# KiCad board pedalboard-hw.kicad_pcb
title: Open Pedalboard; date: 2023-10-20; rev: 3.0.1; company: https://github.com/pedalboard; note: Source Code: https://github.com/pedalboard/pedalboard-hw; note: License: CERN Open Hardware Licence Version 2 - Permissive
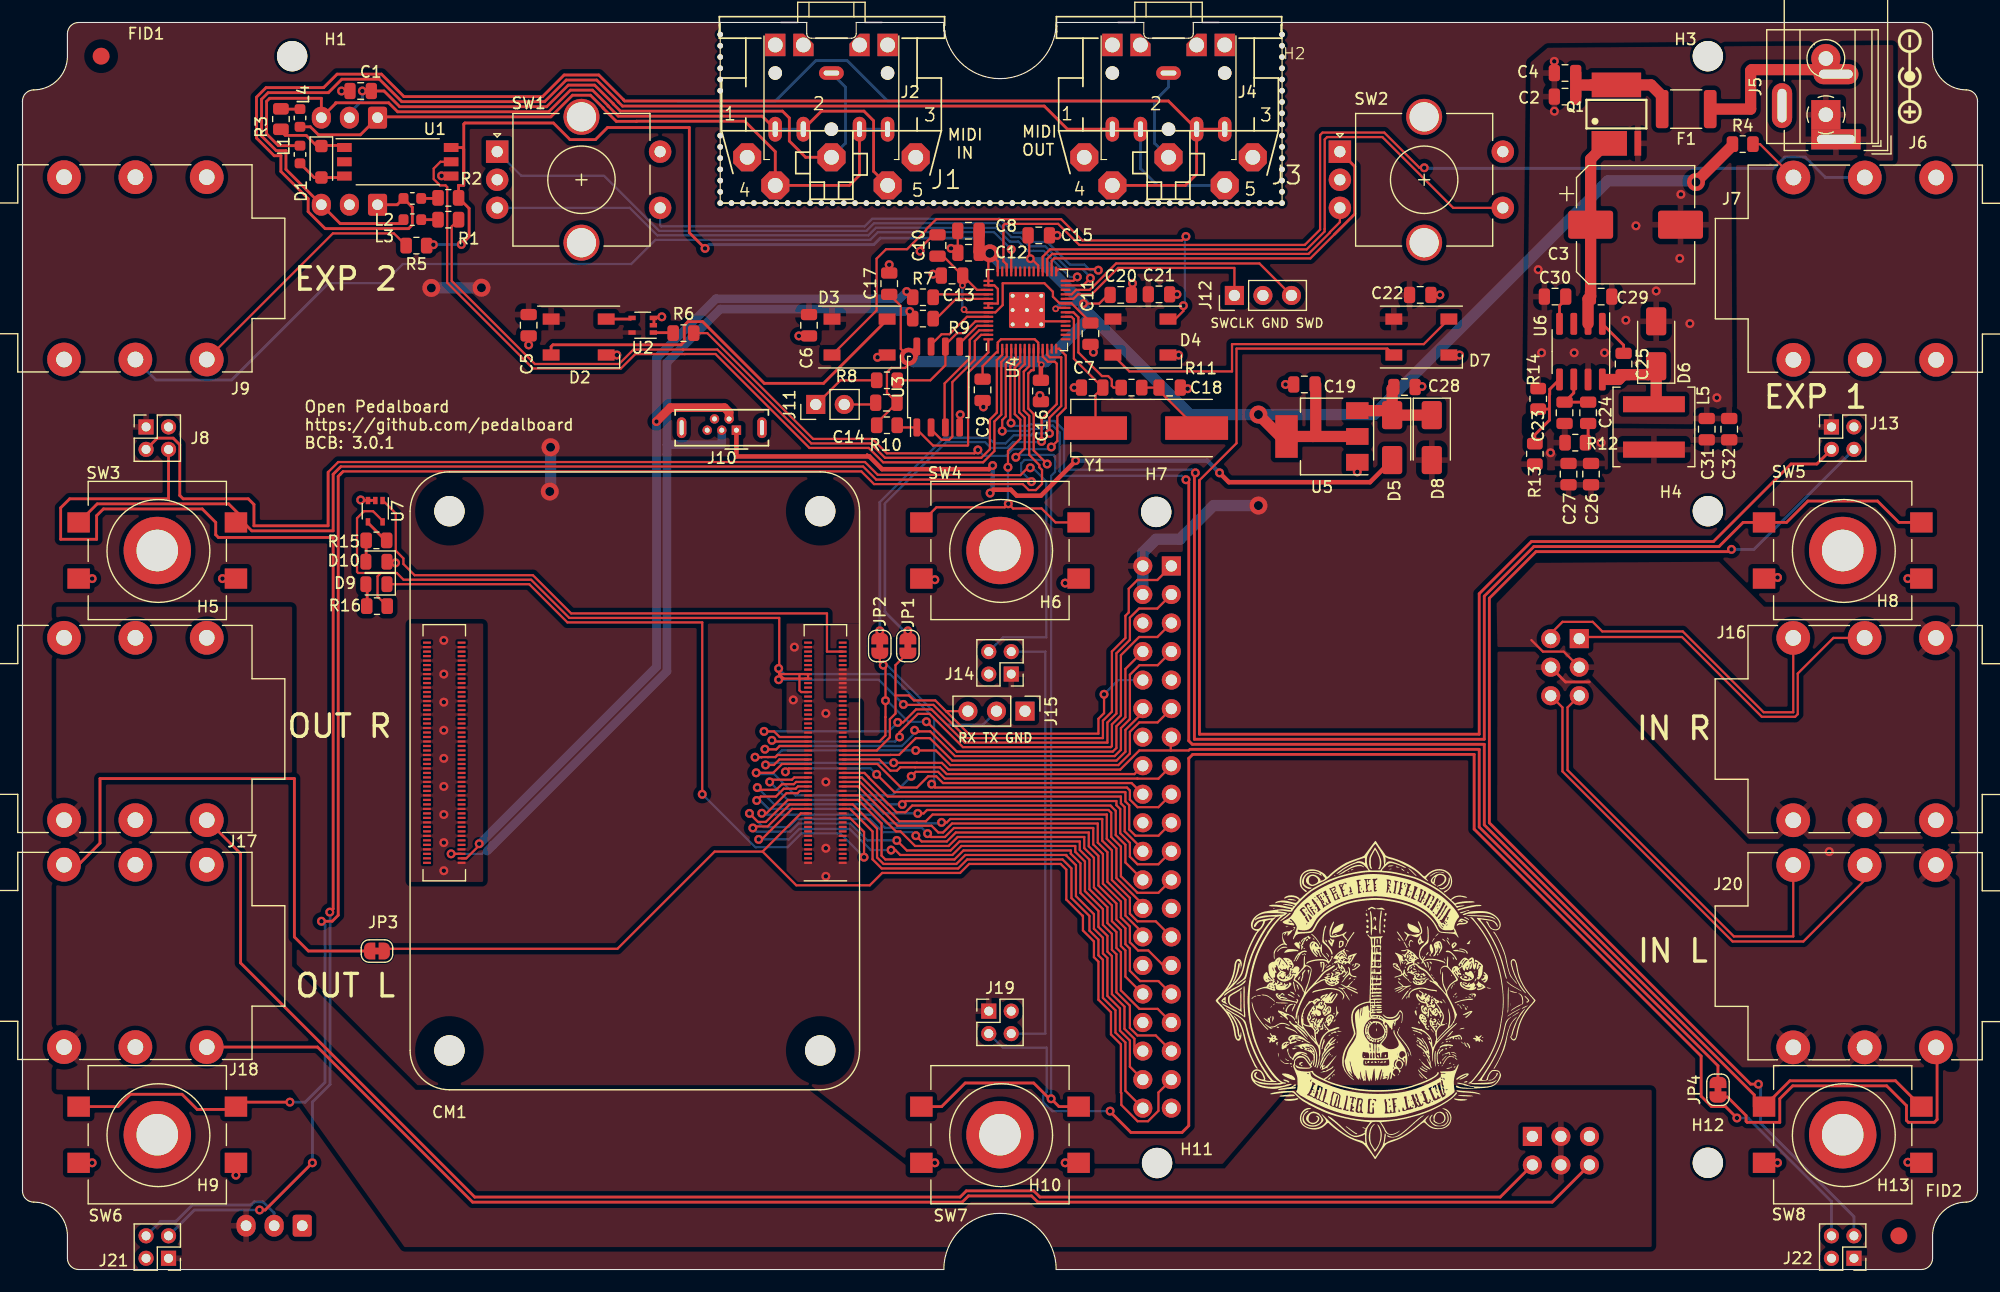
[diagram p0: board, top side]
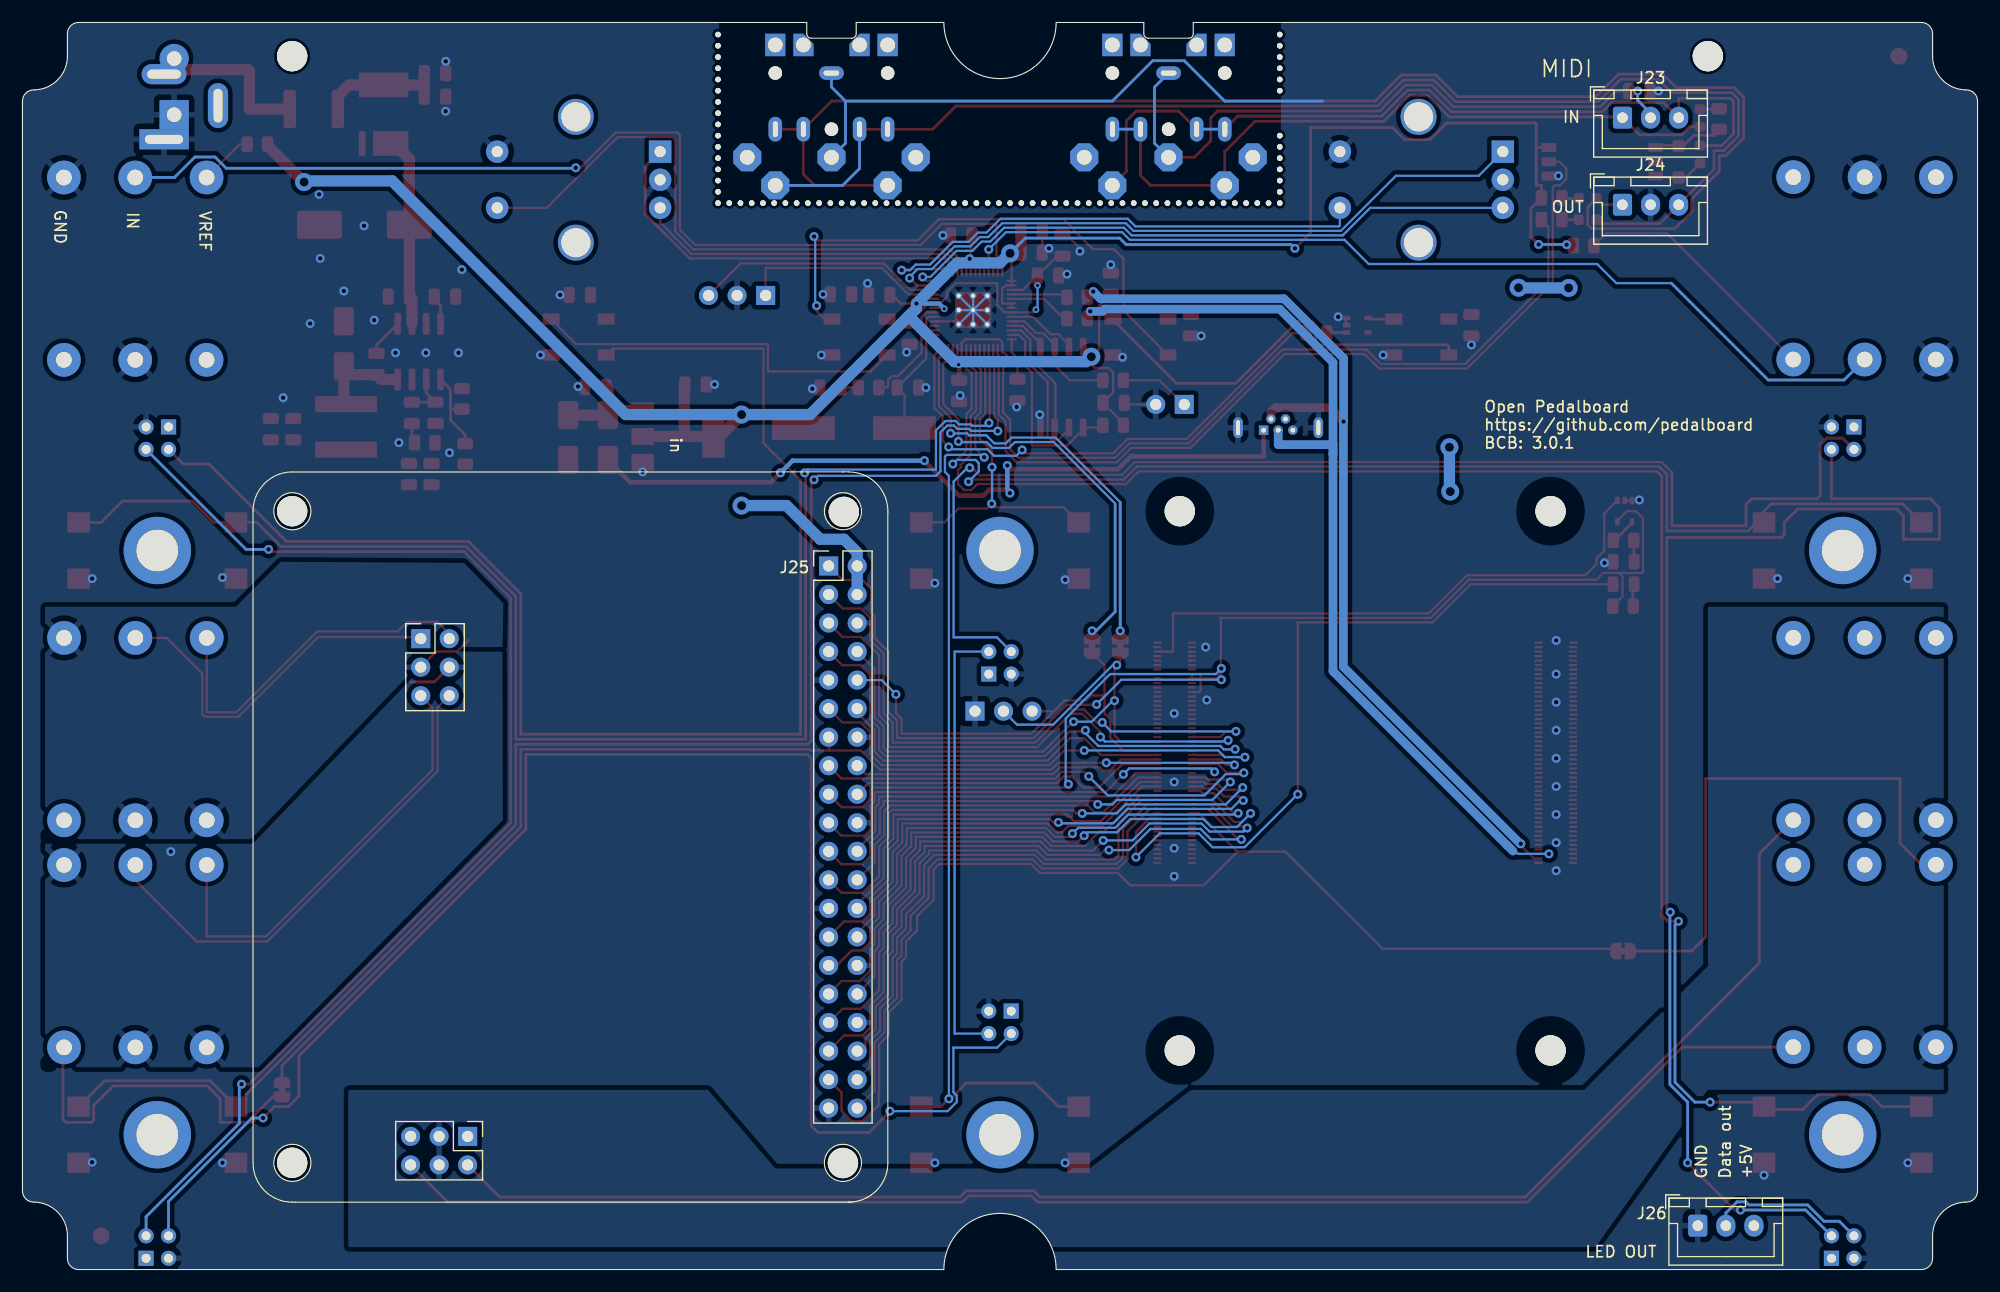
[diagram p1: board, bottom side, seen from below]

Outline 174 x 111 mm; copper layers: Top, Bottom. Coordinates in mm from the lower left corner of the outline.
Outline path: 0,104 arc(0.29,104.71) 1,105 arc(3.12,105.88) 4,108 4,110 arc(4.29,110.71) 5,111 69.8,111 69.8,110 arc(69.92,109.72) 70.2,109.6 73.8,109.6 arc(74.08,109.72) 74.2,110 74.2,111 82,111 arc(87,106) 92,111 99.8,111 99.8,110 arc(99.92,109.72) 100.2,109.6 103.8,109.6 arc(104.08,109.72) 104.2,110 104.2,111 169,111 arc(169.71,110.71) 170,110 170,108 arc(170.88,105.88) 173,105 arc(173.71,104.71) 174,104 174,7 arc(173.71,6.29) 173,6 arc(170.88,5.12) 170,3 170,1 arc(169.71,0.29) 169,0 92,0 arc(87,5) 82,0 5,0 arc(4.29,0.29) 4,1 4,3 arc(3.12,5.12) 1,6 arc(0.29,6.29) 0,7 0,104
Stack: Top 0.035mm / dielectric 1.51mm FR4 er 4.5 / Bottom 0.035mm

## Placement (name value [footprint] x y rotation side)
C1  100n  [C_0805_2012Metric]  30.1 104.9 180 top
C2  22u  [C_0805_2012Metric]  137.29 104.4 180 top
C3  270u  [CP_Elec_10x10]  143.57 93 0 top
C4  22u  [C_0805_2012Metric]  137.29 106.5 180 top
C5  100n  [C_0805_2012Metric]  45.05 84.05 270 top
C6  100n  [C_0805_2012Metric]  70 84.05 270 top
C7  27p  [C_0805_2012Metric]  95.2 78.5 180 top
C8  100n  [C_0805_2012Metric]  84.19 92.46 180 top
C9  100n  [C_0805_2012Metric]  85.45 78.3 270 top
C10  100n  [C_0805_2012Metric]  81.44 91.15 90 top
C11  100n  [C_0805_2012Metric]  95.05 83.3 270 top
C12  1u  [C_0805_2012Metric]  84.2 90.5 180 top
C13  1u  [C_0805_2012Metric]  82.73 88.47 180 top
C14  100n  [C_0805_2012Metric]  76.89 77.15 180 top
C15  100n  [C_0805_2012Metric]  90.45 92.05 0 top
C16  100n  [C_0805_2012Metric]  90.64 78.2 270 top
C17  100n  [C_0805_2012Metric]  77.14 87.75 90 top
C18  27p  [C_0805_2012Metric]  102.1 78.5 0 top
C19  22u  [C_0805_2012Metric]  114.09 78.78 180 top
C20  100n  [C_0805_2012Metric]  97.75 86.75 0 top
C21  100n  [C_0805_2012Metric]  101.15 86.8 0 top
C22  100n  [C_0805_2012Metric]  124.4 86.75 0 top
C23  22p  [C_0805_2012Metric]  137.24 76.26 90 top
C24  2n2  [C_0805_2012Metric]  139.34 76.26 90 top
C25  100n  [C_0805_2012Metric]  142.5 80.6 270 top
C26  22u  [C_0805_2012Metric]  139.6 70.8 270 top
C27  22u  [C_0805_2012Metric]  137.6 70.8 270 top
C28  22u  [C_0805_2012Metric]  123 78.55 0 top
C29  10n  [C_0805_2012Metric]  140.5 86.6 180 top
C30  10n  [C_0805_2012Metric]  136.4 86.6 0 top
C31  22u  [C_0805_2012Metric]  149.9 74.8 270 top
C32  22u  [C_0805_2012Metric]  151.9 74.8 270 top
CM1  ComputeModule4-CM4  [Raspberry-Pi-4-Compute-Module]  71 67.5 180 top
D1  SM4007  [D_SOD-123F]  26.6 98.6 270 top
D2  SK6812  [LED_SK6812_PLCC4_5.0x5.0mm_P3.2mm]  49.5 83 0 top
D3  SK6812  [LED_SK6812_PLCC4_5.0x5.0mm_P3.2mm]  74.5 83 0 top
D4  SK6812  [LED_SK6812_PLCC4_5.0x5.0mm_P3.2mm]  99.5 83 0 top
D5  SS34HF  [D_SMA]  121.9 74.05 270 top
D6  SS34HF  [D_SMA]  145.4 82.4 90 top
D7  SK6812  [LED_SK6812_PLCC4_5.0x5.0mm_P3.2mm]  124.5 83 0 top
D8  SS34HF  [D_SMA]  125.43 74.05 270 top
D9  LED Y  [LED_0805_2012Metric]  31.5 61 180 top
D10  LED G  [LED_0805_2012Metric]  31.5 63 180 top
F1  Polyfuse 1.8A  [Fuse_1812_4532Metric]  148.07 103.29 180 top
FID1  Fiducial  [Fiducial_1.5mm_Mask3mm]  7 108 0 top
FID2  Fiducial  [Fiducial_1.5mm_Mask3mm]  167 3 0 top
H1  MountingHole  [MountingHole_2.7mm_M2.5_DIN965]  24 108 0 top
H2  Midi Bites  [MIDI bites]  87.1 110.92 0 top
H3  MountingHole  [MountingHole_2.7mm_M2.5_DIN965]  150 108 0 top
H4  MountingHole  [MountingHole_2.7mm_M2.5_DIN965]  150 67.5 0 top
H5  Spacer  [WA-SMSI_M2.5]  12 64 0 top
H6  Spacer  [WA-SMSI_M2.5]  87 64 0 top
H7  MountingHole  [MountingHole_2.7mm_M2.5_DIN965]  100.9 67.43 0 top
H8  Spacer  [WA-SMSI_M2.5]  162 64 0 top
H9  Spacer  [WA-SMSI_M2.5]  12 12 0 top
H10  Spacer  [WA-SMSI_M2.5]  87 12 0 top
H11  MountingHole  [MountingHole_2.7mm_M2.5_DIN965]  100.98 9.48 0 top
H12  MountingHole  [MountingHole_2.7mm_M2.5_DIN965]  150 9.5 0 top
H13  Spacer  [WA-SMSI_M2.5]  162 12 0 top
J1  MIDI_IN  [CP-2350]  72 109 180 top
J2  MIDI IN J  [Jack_3.5mm_CUI_SJ1-3525N_Horizontal]  71.99 106.5 180 top
J3  MIDI_OUT  [CP-2350]  102 109 180 top
J4  MIDI OUT J  [Jack_3.5mm_CUI_SJ1-3525N_Horizontal]  102 106.5 180 top
J5  Screw_Terminal_01x02  [TerminalBlock_Phoenix_MKDS-1,5-2_1x02_P5.00mm_Horizontal]  160.5 102.79 90 top
J6  Barrel_Jack_MountingPin  [BarrelJack_Wuerth_6941xx301002]  161.4 100.6 180 top
J7  EXP1  [Jack_6.35mm_Horizontal]  157.62 97.2 0 top
J8  LED-Ring  [Led-Ring]  11 75 0 top
J9  EXP2  [Jack_6.35mm_Horizontal]  16.4 81 180 top
J10  USB_B_Micro  [USB_Micro-B_Wuerth_614105150721_Vertical]  63.54 74.71 180 top
J11  Conn_01x02  [PinHeader_1x02_P2.54mm_Vertical]  70.6 77 90 top
J12  Debug  [PinHeader_1x03_P2.54mm_Vertical]  107.86 86.7 90 top
J13  LED-Ring  [Led-Ring]  161 75 0 top
J14  LED-Ring  [Led-Ring]  88 53 180 top
J15  Debug  [PinHeader_1x03_P2.54mm_Vertical]  89.22 49.7 270 top
J16  Audio IN Right  [Jack_6.35mm_Horizontal]  157.6 56.22 0 top
J17  Audio OUT Right  [Jack_6.35mm_Horizontal]  16.4 40 180 top
J18  Audio OUT Left  [Jack_6.35mm_Horizontal]  16.4 19.8 180 top
J19  LED-Ring  [Led-Ring]  86 23 0 top
J20  Audio IN Left  [Jack_6.35mm_Horizontal]  157.6 36 0 top
J21  LED-Ring  [Led-Ring]  13 1 180 top
J22  LED-Ring  [Led-Ring]  163 1 180 top
J23  EXT-MIDI  [JST_XH_B3B-XH-A_1x03_P2.50mm_Vertical]  31.6 102.53 180 bottom
J24  EXT-MIDI  [JST_XH_B3B-XH-A_1x03_P2.50mm_Vertical]  31.6 94.78 180 bottom
J25  HiFi Berry  [HiFi Berry DAC ADC+]  102.25 62.62 180 bottom
J26  RGB_LED_EXT  [JST_XH_B3B-XH-A_1x03_P2.50mm_Vertical]  24.9 3.9 180 bottom
JP1  SJP  [SolderJumper-2_P1.3mm_Bridged_RoundedPad1.0x1.5mm]  78.8 55.5 90 top
JP2  SJP  [SolderJumper-2_P1.3mm_Bridged_RoundedPad1.0x1.5mm]  76.3 55.5 90 top
JP3  SJP  [SolderJumper-2_P1.3mm_Bridged_RoundedPad1.0x1.5mm]  31.55 28.35 0 top
JP4  SJP  [SolderJumper-2_P1.3mm_Bridged_RoundedPad1.0x1.5mm]  150.9 16 90 top
L1  120_100MHz  [L_0603_1608Metric]  24.7 99.25 270 top
L2  120_100MHz  [L_0603_1608Metric]  34.7 95.34 0 top
L3  120_100MHz  [L_0603_1608Metric]  34.7 93.45 0 top
L4  120_100MHz  [L_0603_1608Metric]  24.7 102.5 90 top
L5  12u  [L_Coilcraft_XAL6030-XXX]  145.2 75 270 top
Q1  FDS4435BZ  [SO08-E3]  141.86 102.84 0 top
R1  33  [R_0805_2012Metric]  37.9 95.39 180 top
R2  10  [R_0805_2012Metric]  37.9 93.45 0 top
R3  220  [R_0805_2012Metric]  23 102.4 270 top
R4  1K  [R_0805_2012Metric]  153.1 100.17 0 top
R5  1K  [R_0805_2012Metric]  35.06 91.14 180 top
R6  220  [R_0805_2012Metric]  58.83 83.35 180 top
R7  27  [R_0805_2012Metric]  80.14 86.54 0 top
R8  1k  [R_0805_2012Metric]  76.94 79.15 0 top
R9  27  [R_0805_2012Metric]  80.14 84.64 0 top
R10  DNF  [R_0805_2012Metric]  76.94 75.15 0 top
R11  1k  [R_0805_2012Metric]  98.7 78.5 0 top
R12  12k1  [R_0805_2012Metric]  138.2 73.6 180 top
R13  10k  [R_0805_2012Metric]  134.6 72.6 90 top
R14  1k91  [R_0805_2012Metric]  134.9 77.5 90 top
R15  1K  [R_0805_2012Metric]  31.5 64.9 0 top
R16  1k  [R_0805_2012Metric]  31.55 59.05 0 top
SW1  VOL Rotary  [RotaryEncoder_Alps_EC11E-Switch_Vertical_H20mm_CircularMountingHoles]  42.25 99.5 0 top
SW2  GAIN Rotary  [RotaryEncoder_Alps_EC11E-Switch_Vertical_H20mm_CircularMountingHoles]  117.25 99.5 0 top
SW3  D  [SW_PUSH-12mm_Wuerth]  12 64 0 top
SW4  E  [SW_PUSH-12mm_Wuerth]  87 64 0 top
SW5  F  [SW_PUSH-12mm_Wuerth]  162 64 0 top
SW6  A  [SW_PUSH-12mm_Wuerth]  12 12 0 top
SW7  B  [SW_PUSH-12mm_Wuerth]  87 12 0 top
SW8  C  [SW_PUSH-12mm_Wuerth]  162 12 0 top
U1  TLP2761  [SO-6L_10x3.84mm_P1.27mm]  33.4 98.6 0 top
U2  74AHCT1G32SE-7  [SOT-353_SC-70-5]  55.2 84.05 180 top
U3  W25Q128JVS  [SOIC-8_5.23x5.23mm_P1.27mm]  81.5 78.55 90 top
U4  RP2040  [RP2040-QFN-56]  89.4 85.4 90 top
U5  NCP1117-3.3_SOT223  [SOT-223-3_TabPin2]  115.65 74.15 180 top
U6  TPS54331  [SOIC-8_3.9x4.9mm_P1.27mm]  138.7 81.7 270 top
U7  74AHCT1G32SE-7  [SOT-353_SC-70-5]  31.4 67.5 270 top
Y1  ABLS-12.000MHZ-B4-T  [Crystal_SMD_HC49-US]  100 74.9 0 top

## Library data of the parts
C1 C5 C6 C21 C22 = -: Description: Unpolarized capacitor; Supplier: https://www.digikey.ch/de/products/detail/kyocera-avx/KGM21NR71H104KM/6816312
C2 C4 = -: Description: Unpolarized capacitor; Supplier: https://www.digikey.ch/de/products/detail/murata-electronics/GRM21BZ71H475ME15K/13904866
C3 = -: Description: Polarized capacitor; Supplier: https://www.digikey.ch/de/products/detail/kemet/A768MS277M1GLAE022/12707654
C7-C20 C28 = -: Description: Unpolarized capacitor
C23 = -: Description: Unpolarized capacitor, small symbol; Digikey: 311-1103-1-ND; Mouser: 603-CC805JRNPO9BN220; Notes: 50V/5%
C24 = -: Description: Unpolarized capacitor, small symbol; Digikey: 1276-2993-1-ND; Mouser: 187-CL21C222JBFNNNE; Notes: 50V/10%
C25 = -: Description: Unpolarized capacitor, small symbol; Digikey: 1276-1180-1-ND; Mouser: 581-08055C104K; Notes: 50V/10%
C26 C27 C31 C32 = -: Description: Unpolarized capacitor, small symbol; Notes: 25V/20%
C29 C30 = -: Description: Unpolarized capacitor, small symbol; Digikey: 1276-1015-1-ND; Mouser: 187-CL21B103KBANNNC; Notes: 50V/10%
D1 = -: Description: 100V 0.15A standard switching diode, DO-35; Supplier: https://www.digikey.ch/de/products/detail/micro-commercial-co/SM4007PL-TP/1793250
D2-D4 D7 = -: Description: RGB LED with integrated controller; Supplier: https://www.digikey.ch/de/products/detail/adafruit-industries-llc/1655/5154679
D5 D8 = -: Description: 20V 1A Schottky Barrier Rectifier Diode, DO-41; Supplier: https://www.digikey.ch/de/products/detail/comchip-technology/SS34-HF/10279693
D6 = -: Description: Schottky diode, small symbol; Digikey: 641-2115-1-ND; Mouser: 821-SS34LRVG; Notes: 40V/3A
D9 D10 = -: Description: Light emitting diode
F1 = -: Description: Resettable fuse, polymeric positive temperature coefficient; Supplier: https://www.digikey.ch/de/products/detail/littelfuse-inc/1812L150-24MR/2023969
FID1 FID2 = -: Description: Fiducial Marker
H1-H4 H7 H11 H12 = -: Description: Mounting Hole without connection
H5 H6 H8-H10 H13 = -: Description: Mounting Hole without connection; Supplier: https://www.digikey.ch/de/products/detail/w%C3%BCrth-elektronik/9774027151R/5320625
J1 J3 = -: Description: 5-pin DIN connector (5-pin DIN-5 stereo); Supplier: https://www.digikey.ch/de/products/detail/switchcraft-inc/57PC5F/275385
J2 J4 = -: Description: Audio Jack, 3 Poles (Stereo / TRS), Switched TR Poles (Normalling); Supplier: https://www.digikey.ch/de/products/detail/cui-devices/SJ1-3525NG/738690
J5 = -: Description: Generic screw terminal, single row, 01x02, script generated (kicad-library-utils/schlib/autogen/connector/)
J6 = -: Description: DC Barrel Jack with an internal switch; Supplier: https://www.digikey.ch/de/products/detail/w%C3%BCrth-elektronik/694106301002/5047522
J7 J9 J16-J18 J20 = -: Description: M Series, 6.35mm (1/4in) stereo jack, switched, with chrome ferrule and straight PCB pins; Supplier: https://www.digikey.ch/de/products/detail/schurter-inc/4833-2320/2644235
J8 J13 J14 J19 J21 J22 = -: Description: Generic connector, double row, 02x02, odd/even pin numbering scheme (row 1 odd numbers, row 2 even numbers), script generated (kicad-library-utils/schlib/autogen/connector/)
J11 = -: Description: Generic connector, single row, 01x02, script generated (kicad-library-utils/schlib/autogen/connector/)
J12 J15 J23 J24 = -: Description: Generic connector, single row, 01x03, script generated
J25 = -: Description: expansion header for Raspberry Pi 2 & 3; Supplier: https://www.digikey.ch/de/products/detail/w%C3%BCrth-elektronik/61304021821/16608657
J26 = -: Description: Generic connector, single row, 01x03, script generated; Supplier: https://www.digikey.ch/de/products/detail/w%C3%BCrth-elektronik/61300311021/4846824
JP1-JP4 = -: Description: Solder Jumper, 2-pole, closed/bridged
L1-L4 = -: Description: Inductor with ferrite core; Supplier: https://www.digikey.ch/de/products/detail/murata-electronics/BLM18KG121TN1D/1982762
L5 = -: Description: Inductor; Digikey: ASPI-6045S-120M-TCT-ND; Mouser: 815-ASPI-6045S-120MT
Q1 = -: Supplier: https://www.digikey.ch/de/products/detail/onsemi/FDS4435BZ/1305763
R1 = -: Description: Resistor; Supplier: https://www.digikey.ch/de/products/detail/stackpole-electronics-inc/RMCF0805FT33R0/1760586
R2 = -: Description: Resistor; Supplier: https://www.digikey.ch/de/products/detail/stackpole-electronics-inc/RNCP0805FTD10R0/2240197
R3 = -: Description: Resistor; Supplier: https://www.digikey.ch/de/products/detail/stackpole-electronics-inc/RMCF0805FT220R/1760238
R4 R5 R7-R11 R15 R16 = -: Description: Resistor
R6 = -: Description: Resistor; Supplier: https://www.digikey.ch/de/products/detail/stackpole-electronics-inc/RMCF0805FT470R/1760300
R12 = -: Description: Resistor, small symbol; Digikey: 541-12.1KCCT-ND; Mouser: 71-CRCW0805-12.1K-E3; Notes: 125mW/1%
R13 = -: Description: Resistor, small symbol; Digikey: RMCF0805FT10K0CT-ND; Mouser: 71-CRCW080510K0FKEAC; Notes: 125mW/1%
R14 = -: Description: Resistor, small symbol; Digikey: 541-1.91KCCT-ND; Mouser: 71-CRCW08051K91FKEA; Notes: 125mW/1%
SW1 SW2 = -: Description: Rotary encoder, dual channel, incremental quadrate outputs, with switch; Supplier: https://www.digikey.ch/de/products/detail/w%C3%BCrth-elektronik/482016514001/10056402
SW3-SW8 = -: Description: Omron B3FS 6x6mm single pole normally-open tactile switch; Supplier: https://www.digikey.ch/de/products/detail/w%C3%BCrth-elektronik/430162043826/9950802
U1 = -: Description: 15-Mbps inverting photocouple,5 kVrms, 2.7 - 5.5 Vdd, push-pull output; Supplier: https://www.digikey.ch/de/products/detail/toshiba-semiconductor-and-storage/TLP2761-TP-E/7809713
U2 U7 = -: Supplier: https://www.digikey.ch/de/products/detail/diodes-incorporated/74AHCT1G32SE-7/2711987
U5 = -: Description: 1A Low drop-out regulator, Fixed Output 3.3V, SOT-223
U6 = -: Description: 3.5V to 28V Input, 3A, Step-Down Converter with Eco-mode(tm); Digikey: 296-26991-1-ND; Mouser: 595-TPS54331DR; Notes: Can use the tube version 296-23626-5-ND
Y1 = -: Description: Two pin crystal

## Footprints (pads in the part's own frame, mm; a bottom-side part is the same pattern mirrored in y, then rotated)
BarrelJack_Wuerth_6941xx301002
  rect 4.4x1.8 hole 3.4x0.8: 1(0,0)
  oval 4x1.8 hole 3x0.8: 2(0,-5.8)
  oval 1.8x4 hole 0.8x3: 3(4.8,-3)
C_0805_2012Metric
  rrect 1x1.45 smd: 1(-0.95,0) 2(0.95,0)
CP-2350
  rrect 2.5x2.5 hole 1.321: 1(7.5,10) 2(0,10) 3(-7.5,10) 4(5,12.5) 5(-5,12.5)
  rrect 1.8x2 hole 1.321: PE(-2.5,0) PE@(2.5,0)
  rect 1.8x2 hole 1.321: PE1(-5,0) PE2(5,0)
CP_Elec_10x10
  rrect 4x2.5 smd: 1(-4,0) 2(4,0)
Crystal_SMD_HC49-US
  rect 5.6x2.1 smd: 1(-4.5,0) 2(4.5,0)
D_SMA
  rrect 2.5x1.8 smd: 1(-2,0) 2(2,0)
D_SOD-123F
  rrect 1.1x1.1 smd: 1(-1.4,0) 2(1.4,0)
Fiducial_1.5mm_Mask3mm
  round 1.5 smd: (0,0)
Fuse_1812_4532Metric
  rrect 1.125x3.4 smd: 1(-2.138,0) 2(2.138,0)
HiFi Berry DAC ADC+
  rect 1.7x1.7 hole 1: 1(0,0) 41(-36.305,-6.47) 47(-32.13,-50.775)
  oval 1.7x1.7 hole 1: 2(2.54,0) 3(0,-2.54) 4(2.54,-2.54) 5(0,-5.08) 6(2.54,-5.08) 7(0,-7.62) 8(2.54,-7.62) 9(0,-10.16) 10(2.54,-10.16) 11(0,-12.7) 12(2.54,-12.7) 13(0,-15.24) 14(2.54,-15.24) 15(0,-17.78) 16(2.54,-17.78) 17(0,-20.32) 18(2.54,-20.32) 19(0,-22.86) 20(2.54,-22.86) 21(0,-25.4) 22(2.54,-25.4) 23(0,-27.94) 24(2.54,-27.94) 25(0,-30.48) 26(2.54,-30.48) 27(0,-33.02) 28(2.54,-33.02) 29(0,-35.56) 30(2.54,-35.56) 31(0,-38.1) 32(2.54,-38.1) 33(0,-40.64) 34(2.54,-40.64) 35(0,-43.18) 36(2.54,-43.18) 37(0,-45.72) 38(2.54,-45.72) 39(0,-48.26) 40(2.54,-48.26) 42(-33.765,-6.47) 43(-36.305,-9.01) 44(-33.765,-9.01) 45(-36.305,-11.55) 46(-33.765,-11.55) 48(-32.13,-53.315) 49(-34.67,-50.775) 50(-34.67,-53.315) 51(-37.21,-50.775) 52(-37.21,-53.315)
Jack_3.5mm_CUI_SJ1-3525N_Horizontal
  round 1.2 hole 1.2 unplated: (-5,0) (0,5) (5,0)
  oval 1.2x2.2 hole 0.45x1.4: R(-5,5) RN(-2.5,5) T(5,5) TN(2.5,5)
  oval 2.2x1.2 hole 1.4x0.45: S(0,0)
Jack_6.35mm_Horizontal
  round 3 hole 1.4: R(6.35,0) RN(6.35,-16.23) S(12.7,0) SN(12.7,-16.23) T(0,0) TN(0,-16.23)
JST_XH_B3B-XH-A_1x03_P2.50mm_Vertical
  rrect 1.7x1.95 hole 0.95: 1(0,0)
  oval 1.7x1.95 hole 0.95: 2(2.5,0) 3(5,0)
L_0603_1608Metric
  rrect 0.875x0.95 smd: 1(-0.787,0) 2(0.787,0)
L_Coilcraft_XAL6030-XXX
  rect 1.43x5.5 smd: 1(-2.02,0) 2(2.02,0)
Led-Ring
  rect 1.35x1.35 hole 0.8: 1(0,0)
  oval 1.35x1.35 hole 0.8: 2(2,0) 3(0,-2) 4(2,-2)
LED_0805_2012Metric
  rrect 0.975x1.4 smd: 1(-0.938,0) 2(0.938,0)
LED_SK6812_PLCC4_5.0x5.0mm_P3.2mm
  rect 1.5x1 smd: 1(2.45,-1.6) 2(2.45,1.6) 3(-2.45,1.6) 4(-2.45,-1.6)
MIDI bites
  round 0.6 hole 0.5 unplated: (-25,-1) (-25,-2) (-25,-3) (-25,-4) (-25,-5) (-25,-6) (-25,-10) (-25,-11) (-25,-12) (-25,-13) (-25,-14) (-25,-15) (-25,-16) (-24,-16) (-23,-16) (-22,-16) (-21,-16) (-20,-16) (-19,-16) (-18,-16) (-17,-16) (-16,-16) (-15,-16) (-14,-16) (-13,-16) (-12,-16) (-11,-16) (-10,-16) (-9,-16) (-8,-16) (-7,-16) (-6,-16) (-5,-16) (-4,-16) (-3,-16) (-2,-16) (-1,-16) (0,-16) (1,-16) (2,-16) (3,-16) (4,-16) (5,-16) (6,-16) (7,-16) (8,-16) (9,-16) (10,-16) (11,-16) (12,-16) (13,-16) (14,-16) (15,-16) (16,-16) (17,-16) (18,-16) (19,-16) (20,-16) (21,-16) (22,-16) (23,-16) (24,-16) (25,-1) (25,-2) (25,-3) (25,-4) (25,-5) (25,-6) (25,-7) (25,-8) (25,-9) (25,-10) (25,-11) (25,-12) (25,-13) (25,-14) (25,-15) (25,-16)
MountingHole_2.7mm_M2.5_DIN965
  round 2.7 hole 2.7 unplated: (0,0)
PinHeader_1x02_P2.54mm_Vertical
  rect 1.7x1.7 hole 1: 1(0,0)
  oval 1.7x1.7 hole 1: 2(0,-2.54)
PinHeader_1x03_P2.54mm_Vertical
  rect 1.7x1.7 hole 1: 1(0,0)
  oval 1.7x1.7 hole 1: 2(0,-2.54) 3(0,-5.08)
R_0805_2012Metric
  rrect 1.025x1.4 smd: 1(-0.912,0) 2(0.912,0)
Raspberry-Pi-4-Compute-Module
  round 2.7 hole 2.7 unplated: (0,48) (0,0) (33,48) (33,0)
  rect 0.7x0.2 smd: 1(-2,31.3) 2(1.08,31.3) 3(-2,30.9) 4(1.08,30.9) 5(-2,30.5) 6(1.08,30.5) 7(-2,30.1) 8(1.08,30.1) 9(-2,29.7) 10(1.08,29.7) 11(-2,29.3) 12(1.08,29.3) 13(-2,28.9) 14(1.08,28.9) 15(-2,28.5) 16(1.08,28.5) 17(-2,28.1) 18(1.08,28.1) 19(-2,27.7) 20(1.08,27.7) 21(-2,27.3) 22(1.08,27.3) 23(-2,26.9) 24(1.08,26.9) 25(-2,26.5) 26(1.08,26.5) 27(-2,26.1) 28(1.08,26.1) 29(-2,25.7) 30(1.08,25.7) 31(-2,25.3) 32(1.08,25.3) 33(-2,24.9) 34(1.08,24.9) 35(-2,24.5) 36(1.08,24.5) 37(-2,24.1) 38(1.08,24.1) 39(-2,23.7) 40(1.08,23.7) 41(-2,23.3) 42(1.08,23.3) 43(-2,22.9) 44(1.08,22.9) 45(-2,22.5) 46(1.08,22.5) 47(-2,22.1) 48(1.08,22.1) 49(-2,21.7) 50(1.08,21.7) 51(-2,21.3) 52(1.08,21.3) 53(-2,20.9) 54(1.08,20.9) 55(-2,20.5) 56(1.08,20.5) 57(-2,20.1) 58(1.08,20.1) 59(-2,19.7) 60(1.08,19.7) 61(-2,19.3) 62(1.08,19.3) 63(-2,18.9) 64(1.08,18.9) 65(-2,18.5) 66(1.08,18.5) 67(-2,18.1) 68(1.08,18.1) 69(-2,17.7) 70(1.08,17.7) 71(-2,17.3) 72(1.08,17.3) 73(-2,16.9) 74(1.08,16.9) 75(-2,16.5) 76(1.08,16.5) 77(-2,16.1) 78(1.08,16.1) 79(-2,15.7) 80(1.08,15.7) 81(-2,15.3) 82(1.08,15.3) 83(-2,14.9) 84(1.08,14.9) 85(-2,14.5) 86(1.08,14.5) 87(-2,14.1) 88(1.08,14.1) 89(-2,13.7) 90(1.08,13.7) 91(-2,13.3) 92(1.08,13.3) 93(-2,12.9) 94(1.08,12.9) 95(-2,12.5) 96(1.08,12.5) 97(-2,12.1) 98(1.08,12.1) 99(-2,11.7) 100(1.08,11.7) 101(31.92,31.3) 102(35,31.3) 103(31.92,30.9) 104(35,30.9) 105(31.92,30.5) 106(35,30.5) 107(31.92,30.1) 108(35,30.1) 109(31.92,29.7) 110(35,29.7) 111(31.92,29.3) 112(35,29.3) 113(31.92,28.9) 114(35,28.9) 115(31.92,28.5) 116(35,28.5) 117(31.92,28.1) 118(35,28.1) 119(31.92,27.7) 120(35,27.7) 121(31.92,27.3) 122(35,27.3) 123(31.92,26.9) 124(35,26.9) 125(31.92,26.5) 126(35,26.5) 127(31.92,26.1) 128(35,26.1) 129(31.92,25.7) 130(35,25.7) 131(31.92,25.3) 132(35,25.3) 133(31.92,24.9) 134(35,24.9) 135(31.92,24.5) 136(35,24.5) 137(31.92,24.1) 138(35,24.1) 139(31.92,23.7) 140(35,23.7) 141(31.92,23.3) 142(35,23.3) 143(31.92,22.9) 144(35,22.9) 145(31.92,22.5) 146(35,22.5) 147(31.92,22.1) 148(35,22.1) 149(31.92,21.7) 150(35,21.7) 151(31.92,21.3) 152(35,21.3) 153(31.92,20.9) 154(35,20.9) 155(31.92,20.5) 156(35,20.5) 157(31.92,20.1) 158(35,20.1) 159(31.92,19.7) 160(35,19.7) 161(31.92,19.3) 162(35,19.3) 163(31.92,18.9) 164(35,18.9) 165(31.92,18.5) 166(35,18.5) 167(31.92,18.1) 168(35,18.1) 169(31.92,17.7) 170(35,17.7) 171(31.92,17.3) 172(35,17.3) 173(31.92,16.9) 174(35,16.9) 175(31.92,16.5) 176(35,16.5) 177(31.92,16.1) 178(35,16.1) 179(31.92,15.7) 180(35,15.7) 181(31.92,15.3) 182(35,15.3) 183(31.92,14.9) 184(35,14.9) 185(31.92,14.5) 186(35,14.5) 187(31.92,14.1) 188(35,14.1) 189(31.92,13.7) 190(35,13.7) 191(31.92,13.3) 192(35,13.3) 193(31.92,12.9) 194(35,12.9) 195(31.92,12.5) 196(35,12.5) 197(31.92,12.1) 198(35,12.1) 199(31.92,11.7) 200(35,11.7)